# KiCad board panel.kicad_pcb (continued)
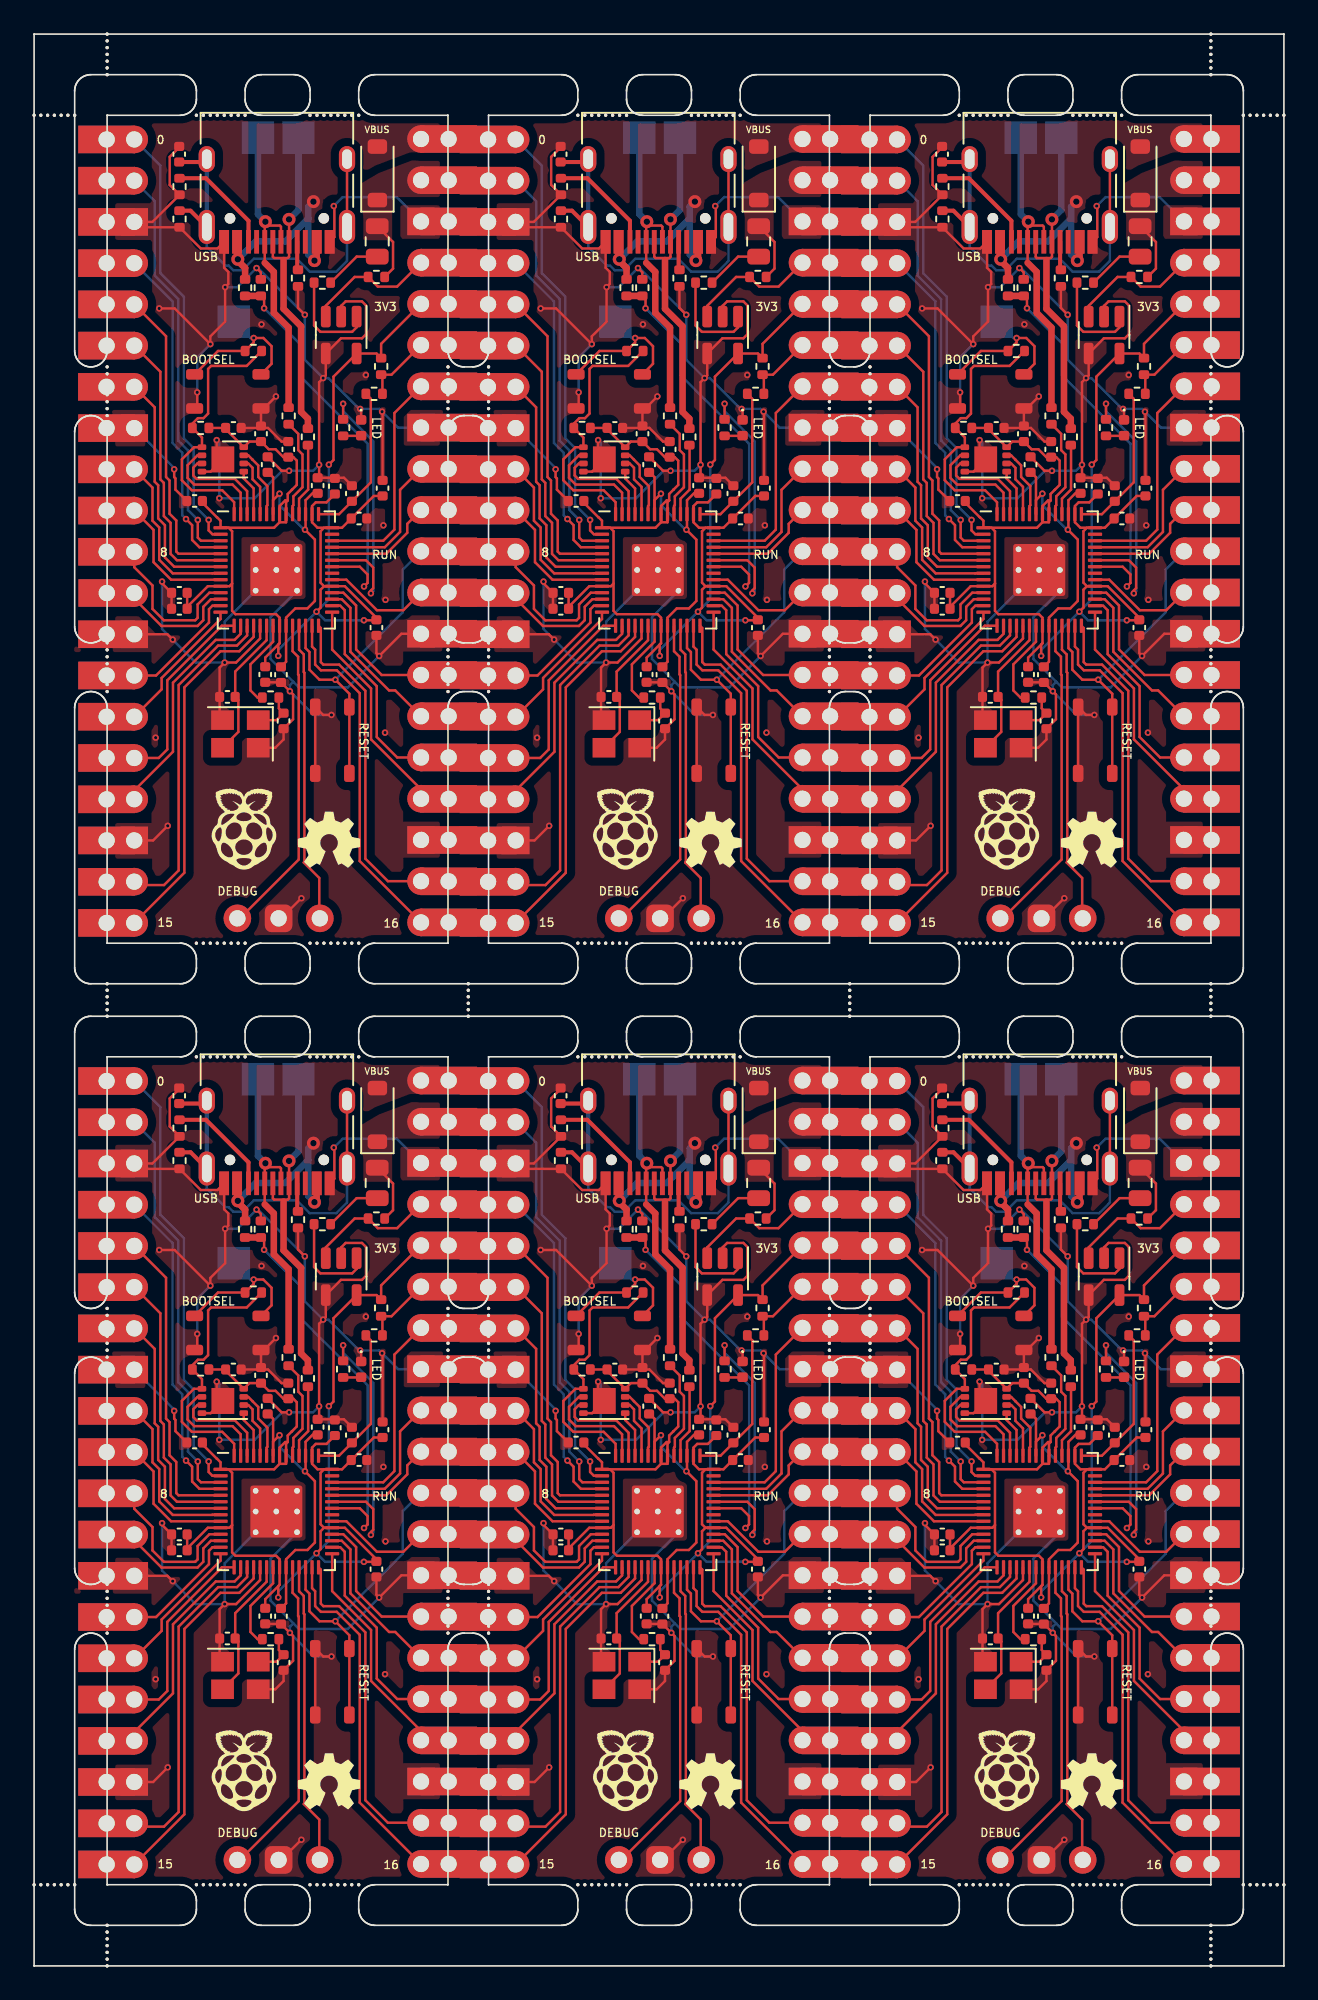
[diagram p0: board, top side]
## Routing (per net, layer and track width the routed paths; a pad name or vN(x,y) marks a point on that pad's centre or on a via; arc(x,y) is an arc through that point) (continued)
Board_1-/GPIO18: length 13.8
  Top w0.15: J2#5.17 47.34,72.48 44.26,75.56 44.26,78.69 41.86,81.09 U1#3.29
Board_1-/GPIO19: length 12.8
  Top w0.15: U1#3.30 42.36,83.79 42.64,83.51 42.64,80.8 44.61,78.83 44.61,75.7 45.87,74.44 J2#5.16
Board_1-/GPIO20: length 10
  Top w0.15: U1#3.31 42.46,84.19 42.99,83.66 42.99,80.95 45.37,78.57 45.75,78.57 J2#5.15
Board_1-/GPIO21: length 9.2
  Top w0.15: U1#3.32 42.55,84.59 43.34,83.8 43.34,81.09 44.91,79.52 J2#5.14
Board_1-/GPIO22: length 6.7
  Top w0.15: J2#5.12 46.25,83.51 44.62,83.51 42.74,85.39 U1#3.34
Board_1-/GPIO24: length 24.9
  Top w0.15: v1(43.83,84.97) 44.04,85.19 44.04,85.71 43.57,86.19 U1#3.36 ; v1(37.67,102.11) 37.67,102.67 R14#6.2
  Top w0.4: R13#3.1 R14#6.2
  Bottom w0.15: v1(37.67,102.11) 39.83,99.95 39.83,97.99 44.05,93.77 44.05,85.2 v1(43.83,84.97)
Board_1-/GPIO25: length 17.8
  Top w0.15: U1#3.37 43.94,86.59 44.39,86.14 44.39,84.87 44.25,84.73 v1(44.25,84.55) ; v1(42.54,96.23) R5#6.1
  Bottom w0.15: v1(42.54,96.23) 42.54,95.77 44.4,93.91 44.4,84.7 v1(44.25,84.55)
Board_1-/GPIO26_ADC0: length 6.9
  Top w0.15: J2#5.10 46.49,88.83 46.49,88.28 45.2,86.99 U1#3.38
Board_1-/GPIO27_ADC1: length 9
  Top w0.15: U1#3.39 45.11,87.39 46.05,88.33 46.05,90.93 J2#5.9
Board_1-/GPIO28_ADC2: length 13.6
  Top w0.15: U1#3.40 45.01,87.79 45.7,88.48 45.7,95.66 J2#5.7
Board_1-/QSPI_SCLK: length 3.7
  Top w0.15: U1#3.52 37.43,91.11 36.96,91.57 36.96,92.29 36.7,92.55 U2#6.6
Board_1-/QSPI_SD0: length 2.9
  Top w0.15: U1#3.53 37.03,91.01 36.42,91.62 U2#6.5
Board_1-/QSPI_SD1: length 6.9
  Top w0.15: U2#6.2 33.56,93.05 32.96,92.44 32.96,91.66 33.37,91.25 35.73,91.25 36.22,90.75 36.22,89.43
Board_1-/QSPI_SD2: length 6.3
  Top w0.15: U2#6.3 33.56,92.55 33.31,92.29 33.31,91.81 33.51,91.6 35.87,91.6 36.62,90.84 U1#3.54
Board_1-/QSPI_SD3: length 4.4
  Top w0.15: U2#6.7 36.7,93.05 36.96,92.79 36.96,92.79 37.31,92.43 37.31,91.72 37.88,91.15 37.88,89.98 37.82,89.93 37.82,89.43
Board_1-/QSPI_SS: length 16.9
  Top w0.15: R8.2 36.6,98.56 34.4,98.56 34.22,98.38 34.22,95.62 33.94,95.34 33.59,95.34 33.25,95 R9#4.1 ; 35.82,89.43 35.82,90.16 35.09,90.9 33.22,90.9 32.6,91.52 32.6,92.81 33.35,93.55 U2#6.1 33.84,94.15 R9#4.1 ; R9#4.1 33.12,94.74
Board_1-/RUN: length 20.9
  Top w0.15: SW1#4.2 SW1#4.2 42.92,78.37 v1(42.06,79.23) 41.08,79.23 40.47,79.84 40.47,80.93 40.22,81.17 40.22,82.55
  Bottom w0.15: v1(42.06,79.23) 46.22,83.38 46.22,86.02 J2#5.11
Board_1-/SWCLK: length 20
  Top w0.15: U1#3.24 39.43,80.98 39.76,80.65 39.76,79.56 39.81,79.52 39.81,68.16 35.99,64.34
Board_1-/SWD: length 18.8
  Top w0.15: 39.82,82.55 39.82,81.08 40.12,80.79 40.12,79.7 40.16,79.66 40.16,68.01 40.12,67.97 41.07,67.02 41.07,64.34
Board_1-/USB_BOOT: length 9.7
  Top w0.15: SW2#2.2 38.13,98.69 38.13,99.77 37.62,100.28 v1(37.03,100.28) 37.03,100.01 R8.1 34.83,99.48 SW2#2.2
  Bottom w0.15: v1(37.03,100.28) 36.82,100.28 TP3#5.1
Board_1-/USB_DM: length 20.6
  Top w0.15: J4#4.A7 38.21,105.28 38.28,105.2 39.13,105.2 39.21,105.28 J4#4.B7 39.21,107.58 v2(39.21,107.59)
  Top w0.4: R2.2 40.37,95.31 39.95,95.73 39.95,101 38.87,102.08 38.87,105.08
  Bottom w0.4: v2(39.21,107.59) 39.79,108.17 TP2#2.1
Board_1-/USB_DP: length 19.4
  Top w0.15: 37.78,107.2 37.71,107.13 J4#4.B6 37.71,104.91 ; 37.78,107.2 37.78,107.41 v2(37.75,107.44) ; 37.78,107.2 38.63,107.2 38.71,107.13 J4#4.A6
  Top w0.4: 37.71,104.91 38.27,104.35 38.27,101.83 39.18,100.92 R1#3.2
  Bottom w0.4: v2(37.75,107.44) 37.29,107.9 TP1.1
Board_1-GND: length 169.7
  Top w0.15: v1(40.18,101.71) 39.76,102.13 R11.2 ; v1(32.04,81.7) 31.71,82.03 J1#3.13 ; D1#3.1 43.65,95.85 v1(43.59,95.91) ; C1.2 38.75,92.1 v1(39.21,92.1) ; v1(31.21,102.1) 32.16,102.1 v1(34.36,99.9) 34.36,100.38 35.27,101.29 v1(35.27,103.41) 35.47,103.6 35.47,104.35 35.21,104.6 J4#4.A12 34.8,105.8 33.76,105.8 R10#3.1 30,107.1 J1#3.3 30.79,107.43 R12#5.2 31.85,109.7 31.85,111.44 32.44,112.02 C17#4.2 ; R14#6.1 37.47,104.32 v1(37.2,104.59) ; C10#4.2 44.97,95.71 v1(44.94,95.74) ; U2#6.4 34.38,92.05 U2#6.9 34.75,93.18 v1(34.75,93.99) ; v1(41.82,77.06) 41.31,77.06 SW1#4.1 SW1#4.1 ; U1#3.19 37.43,81.77 35.94,80.29 v1(35.24,80.29) 34.93,79.98 C15#6.1 34.93,76.92 Y1#3.2 ; Y1#3.4 38.36,75.04 38.87,75.55 C14#3.2 39.46,76.8 39.46,78.33 v1(39.26,78.52) 38.72,79.06 C2#2.2 38.7,79.07 C6.2 ; C16#6.1 37.91,94.74 38.75,93.9 C5#4.2 ; v1(41.96,108.41) 42,108.37 42,106.5 J4#4.A1 ; J1#3.18 30.83,69.33 v1(31.73,70.23) ; C7.2 44.59,80.86 v1(44.76,80.69) 46.13,82.06 J2#5.13 ; 31.97,83.68 C8.2 C13#6.2 31.38,85.17 v1(31.38,85.27) ; C9#5.2 32.21,90.94 32.21,91.63 32.13,91.71 v1(32.13,92.19) ; U3#5.2 42.42,102.26 42.7,102.53 43.7,102.53 43.95,102.29 43.95,100.51 43.7,100.26 42.41,100.26 U3#5.4 41.47,97.97 v1(41.31,97.81) 41.06,97.56 v1(41.06,92.47) 41.06,91.76 C3#6.2 42.59,91.67 C12#4.2 ; 38.53,64.34 39.96,65.77 v1(39.97,65.77) ; SW2#2.1 33.55,96.1 v1(33.55,96.93) ; C19#6.2 37.48,95.76 v1(38.4,96.68)
  Bottom w0.15: v1(41.06,92.47) 40.69,92.1 v1(39.21,92.1) 38.78,92.1 37.09,90.41 v1(34.91,90.41) 34.91,93.83 v1(34.75,93.99) ; U1#3.57 35.24,82.81 v1(35.24,80.29) 33.45,80.29 v1(32.04,81.7) 31.38,82.36 v1(31.38,85.27) ; v1(34.36,99.9) 33.55,99.09 v1(33.55,96.93) ; v1(32.13,92.19) 32.13,92.27 J1#3.8 ; v1(41.96,108.41) 42.52,108.96 45.84,108.96 J2#5.3 ; U1#3.57 38.07,83.08 38.07,80.5 39.47,79.1 ; v1(44.76,80.69) 42.82,78.75 39.82,78.75 39.47,79.1 ; 39.47,79.1 39.26,78.89 v1(39.26,78.52) 40.72,77.06 v1(41.82,77.06) ; J2#5.8 45.92,94.76 v1(44.94,95.74) 44.77,95.91 v1(43.59,95.91) 43.53,95.91 41.63,97.81 v1(41.31,97.81) 40.18,98.94 v1(40.18,101.71) 37.3,104.59 v1(37.2,104.59) 36.03,103.41 v1(35.27,103.41)
  vias: v1(30.99,75.66) v1(37.51,101.12) v1(43.94,98) v1(45.02,88.74) v1(45.12,75.97) v1(45.15,84.15)
Board_1-Net-(C14-Pad1): length 2.8
  Top w0.15: R7#4.1 38.58,77.46 C14#3.1 38.44,76.74 Y1#3.1
Board_1-Net-(D1-A): length 1.1
  Top w0.15: D1#3.2 43.63,94.25 R5#6.2
Board_1-Net-(F1-Pad2): length 3.5
  Top w0.15: FB1#6.2 43.37,105.29 F1#3.2
Board_1-Net-(J4-CC1): length 1.7
  Top w0.25: R11.1 39.71,104.53 J4#4.A5
Board_1-Net-(J4-CC2): length 6.6
  Top w0.25: R12#5.1 34.09,110.12 36.71,107.5 J4#4.B5
Board_1-Net-(J4-SHIELD): length 25.7
  Top w0.15: J4#4.S1 J4#4.S1
  Top w0.25: C17#4.1 33.96,111.12 J4#4.S1 ; J4#4.S1 33.14,108.12 R10#3.2
  Bottom w0.15: J4#4.S1 42.78,105.03 42.12,104.37 40.48,104.37 39.69,105.16 37.04,105.16 36.33,104.45 35.77,104.45 35.48,104.74 35.29,104.74 34.14,105.89 J4#4.S1
  Bottom w0.25: J4#4.S1 J4#4.S1
Board_1-Net-(U1-ADC_AVDD): length 9.6
  Top w0.15: U1#3.43 42.29,89.43 C12#4.1 44.25,91.38 44.25,96.53 R4.2
Board_1-Net-(U1-USB_DM): length 4.5
  Top w0.15: 39.82,89.43 39.82,90.38 40.38,90.94 40.38,93.66 R2.1
Board_1-Net-(U1-USB_DP): length 6.1
  Top w0.15: U1#3.47 39.43,89.93 39.47,89.98 39.47,90.52 40.03,91.08 40.03,93.11 39.78,93.37 39.78,94.38 R1#3.1
Board_1-Net-(U3-IN): length 6.2
  Top w0.15: FB1#6.1 40.75,101.05 41.14,100.66 43.09,100.66 43.37,100.94 U3#5.1
Board_1-VBUS: length 13.8
  Top w0.4: 36.5,104.59 36.01,105.08 J4#4.A9 ; 36.5,104.59 36.05,105.04 v2(36.05,105.13) ; 36.5,104.59 R13#3.2 ; v2(40.77,105.05) 40.91,105.18 J4#4.A4
  Bottom w0.4: v2(40.77,105.05) 40.39,105.43 40.39,107.64 ; 40.39,107.64 38.98,106.23 37.15,106.23 v2(36.05,105.13) ; 40.39,107.64 40.39,108.36 v2(40.71,108.68)
Board_1-VSYS: length 3.7
  Top w0.15: R15#2.1 45.62,104.56 45.62,106.19 F1#3.1
Board_1-XIN: length 8.8
  Top w0.15: Y1#3.3 36.09,76.02 36.09,77.97 C15#6.2 35.89,79.73 37.82,81.66 37.82,82.55
Board_1-XOUT: length 5.5
  Top w0.15: R7#4.2 37.27,78.13 36.83,78.57 36.83,80.18 38.22,81.57 38.22,82.55
Board_2-3V3_EN: length 8.1
  Top w0.15: J2#2.4 69.37,103.44 68.18,103.44 R15#4.2 66.75,104.04 64.97,102.26 U3#6.3
Board_2-+1V1: length 19.4
  Top w0.15: v1(63.69,88.47) 63.72,88.48 ; v1(63.69,88.47) 63.72,88.5 63.72,90.28 64.18,90.74 ; v1(63.69,88.47) 64.3,87.86 64.3,84.08 63.84,83.62 63.09,83.62 62.53,83.05 U1#6.23 62.53,80.34 C2#6.1 ; 61.52,91.91 61.72,91.7 61.72,89.43 61.72,90.3 v1(62.12,90.69)
  Bottom w0.15: 63.69,88.41 62.12,89.98 v1(62.12,90.69)
Board_2-+3V3: length 84.7
  Top w0.15: 62.12,81.48 U1#6.22 62.12,83.05 61.91,83.27 59.41,83.27 59.2,83.47 59.2,85.15 ; 62.12,81.48 62.04,81.39 v1(62.04,80.7) ; 62.12,81.48 61.24,80.59 C6#3.1 ; 59.2,85.15 59.04,84.99 U1#6.10 57.7,84.99 56.43,83.72 C8#5.1 C13.1 ; 59.2,85.15 59.2,88.38 58.99,88.59 U1#6.1 ; 62.62,90.27 62.62,90.67 62.88,90.93 ; 62.62,90.27 62.47,90.27 62.12,89.93 U1#6.49 62.12,88.93 ; 62.62,90.27 62.53,90.17 U1#6.48 62.53,88.93 62.12,88.93 ; C11.1 65.01,90.16 64.35,90.16 64.12,89.93 U1#6.44 64.12,88.93 64.46,88.59 64.86,88.59 ; 64.86,84.99 U1#6.33 66.15,84.99 68.09,83.05 C7#3.1 68.06,82.89 v1(67.32,82.89) ; 64.86,84.99 64.65,85.2 64.65,88.38 64.86,88.59 ; 64.86,84.99 64.65,84.78 64.65,83.67 v1(64.4,83.42) ; J2#2.5 68.38,99.92 R3#4.1 68.1,99.32 U3#6.5 65.44,97.9 65.44,92.77 v1(65.16,92.48) ; U1#6.1 58.49,89.02 58.27,89.24 58.26,89.24 57.34,90.16 57.34,90.22 ; U1#6.1 61.79,88.59 62.12,88.93 ; U1#6.1 58.48,88.6 ; C10#5.1 67.93,90.55 C4.1 65.97,88.59 U1#6.42 64.86,88.59 ; 62.88,90.93 62.9,90.94 ; 62.88,90.93 63.19,91.23 63.19,92.72 62.97,92.94 C5#5.1 62.36,92.94 61.88,93.42 61.46,93.42 C19#5.1 60.27,93.9 U2.8 58.8,94.67 C16#5.2 R9#2.2
  Bottom w0.15: v1(64.4,83.42) 62.04,81.06 v1(62.04,80.7) ; v1(64.4,83.42) 64.93,82.89 v1(67.32,82.89) 66.98,82.89 ; v1(64.4,83.42) 65.16,84.18 v1(65.16,92.48)
Board_2-/ADC_VREF: length 4.4
  Top w0.15: J2#2.6 69.02,98.02 R3#4.2 68.46,97.94 R4#3.1
Board_2-/GPIO0: length 26.8
  Top w0.15: v1(57.75,89.07) 57.75,88.42 57.99,88.19 U1#6.2
  Bottom w0.15: v1(57.75,89.07) 56.83,90 56.83,93.5 56.23,94.1 56.23,102.82 54.78,104.27 54.78,110.9 J1#5.1
Board_2-/GPIO1: length 25.1
  Top w0.15: U1#6.3 57.28,87.79 57.09,87.98 v1(57.09,89.07)
  Bottom w0.15: J1#5.2 54.43,108.71 54.43,104.12 55.88,102.67 55.88,93.96 56.48,93.36 56.48,89.68 v1(57.09,89.07)
Board_2-/GPIO2: length 20.5
  Top w0.15: v1(56.36,89.13) 56.74,88.75 56.74,87.84 57.19,87.39 U1#6.4
  Bottom w0.15: v1(56.36,89.13) 56.13,89.36 56.13,93.21 55.53,93.81 55.53,102.53 J1#5.4
Board_2-/GPIO3: length 19.1
  Top w0.15: U1#6.5 55.89,86.99 55.76,87.12 55.76,89.04 55.34,89.45 55.34,91.5 55.13,91.71 55.13,100.39 J1#5.5
Board_2-/GPIO4: length 17
  Top w0.15: U1#6.6 55.8,86.59 55.41,86.98 55.41,88.89 55,89.31 55,91.35 54.78,91.57 54.78,98.2 J1#5.6
Board_2-/GPIO5: length 15
  Top w0.15: J1#5.7 54.43,96.01 54.43,91.42 54.65,91.21 54.65,89.16 55.06,88.75 55.06,86.76 55.63,86.19 U1#6.7
Board_2-/GPIO6: length 10.3
  Top w0.15: J1#5.9 54.29,91.06 54.29,89.02 54.71,88.6 54.71,86.61 55.54,85.78 57.98,85.78 57.99,85.79 U1#6.8
Board_2-/GPIO7: length 8.2
  Top w0.15: U1#6.9 55.44,85.39 54.36,86.47 54.36,88.46 J1#5.10
Board_2-/GPIO8: length 9.7
  Top w0.15: J1#5.11 53.17,86.16 54.29,85.03 54.29,83.59 54.99,82.89 56.93,82.89 57.07,83.04 57.07,83.87 57.8,84.59 U1#6.11
Board_2-/GPIO9: length 7.5
  Top w0.15: U1#6.12 57.89,84.19 57.43,83.72 57.43,82.89 57.07,82.54 54.85,82.54 53.17,84.22 J1#5.12
Board_2-/GPIO10: length 7.6
  Top w0.15: U1#6.13 57.99,83.79 57.78,83.58 57.78,82.75 54.52,79.49 J1#5.14
Board_2-/GPIO11: length 8.6
  Top w0.15: U1#6.14 58.49,82.97 54.86,79.34 54.86,78.64 J1#5.15
Board_2-/GPIO12: length 12
  Top w0.15: J1#5.16 54.68,74.41 55.21,74.94 55.21,79.19 58.57,82.55 59.32,82.55
Board_2-/GPIO13: length 14.1
  Top w0.15: 59.72,82.55 59.72,82.05 59.35,81.68 58.19,81.68 55.56,79.05 55.56,74.79 53.17,72.41 J1#5.17
Board_2-/GPIO14: length 20.7
  Top w0.15: J1#5.19 53.38,66.58 55.01,66.58 55.91,67.48 55.91,78.9 58.34,81.33 59.5,81.33 60.12,81.96 U1#6.17
Board_2-/GPIO15: length 22
  Top w0.15: U1#6.18 60.53,81.86 59.64,80.98 58.48,80.98 56.26,78.76 56.26,67.34 J1#5.20
Board_2-/GPIO16: length 21.6
  Top w0.15: J2#2.20 67.06,68.06 67.06,78.4 65.65,79.81 64.67,79.81 64.31,80.16 64.31,81.08 64.12,81.27 U1#6.27
Board_2-/GPIO17: length 20.1
  Top w0.15: U1#6.28 64.66,82.41 64.66,80.31 64.82,80.16 65.79,80.16 67.41,78.54 67.41,68.2 68.79,66.82 J2#2.19
Board_2-/GPIO18: length 13.8
  Top w0.15: U1#6.29 65.36,81.09 67.76,78.69 67.76,75.56 70.84,72.48 J2#2.17
Board_2-/GPIO19: length 12.8
  Top w0.15: J2#2.16 69.37,74.44 68.11,75.7 68.11,78.83 66.14,80.8 66.14,83.51 65.86,83.79 U1#6.30
Board_2-/GPIO20: length 10
  Top w0.15: U1#6.31 65.96,84.19 66.49,83.66 66.49,80.95 68.87,78.57 69.25,78.57 J2#2.15
Board_2-/GPIO21: length 9.2
  Top w0.15: J2#2.14 68.41,79.52 66.84,81.09 66.84,83.8 66.05,84.59 U1#6.32
Board_2-/GPIO22: length 6.7
  Top w0.15: U1#6.34 66.24,85.39 68.12,83.51 69.75,83.51 J2#2.12
Board_2-/GPIO24: length 24.9
  Top w0.15: R14#3.2 61.17,102.67 v1(61.17,102.11) ; v1(67.33,84.97) 67.54,85.19 67.54,85.71 67.07,86.19 U1#6.36
  Top w0.4: R13#6.1 R14#3.2
  Bottom w0.15: v1(67.33,84.97) 67.55,85.2 67.55,93.77 63.33,97.99 63.33,99.95 v1(61.17,102.11)
Board_2-/GPIO25: length 17.8
  Top w0.15: v1(66.04,96.23) R5#2.1 ; U1#6.37 67.44,86.59 67.89,86.14 67.89,84.87 67.75,84.73 v1(67.75,84.55)
  Bottom w0.15: v1(66.04,96.23) 66.04,95.77 67.9,93.91 67.9,84.7 v1(67.75,84.55)
Board_2-/GPIO26_ADC0: length 6.9
  Top w0.15: U1#6.38 68.7,86.99 69.99,88.28 69.99,88.83 J2#2.10
Board_2-/GPIO27_ADC1: length 9
  Top w0.15: U1#6.39 68.61,87.39 69.55,88.33 69.55,90.93 J2#2.9
Board_2-/GPIO28_ADC2: length 13.6
  Top w0.15: J2#2.7 69.2,95.66 69.2,88.48 68.51,87.79 U1#6.40
Board_2-/QSPI_SCLK: length 3.7
  Top w0.15: U1#6.52 60.93,91.11 60.46,91.57 60.46,92.29 60.2,92.55 U2.6
Board_2-/QSPI_SD0: length 2.9
  Top w0.15: U2.5 59.92,91.62 60.53,91.01 U1#6.53
Board_2-/QSPI_SD1: length 6.9
  Top w0.15: 59.72,89.43 59.72,90.75 59.23,91.25 56.87,91.25 56.46,91.66 56.46,92.44 57.06,93.05 U2.2
Board_2-/QSPI_SD2: length 6.3
  Top w0.15: U1#6.54 60.12,90.84 59.37,91.6 57.01,91.6 56.81,91.81 56.81,92.29 57.06,92.55 U2.3
Board_2-/QSPI_SD3: length 4.4
  Top w0.15: 61.32,89.43 61.32,89.93 61.38,89.98 61.38,91.15 60.81,91.72 60.81,92.43 60.46,92.79 60.46,92.79 60.2,93.05 U2.7
Board_2-/QSPI_SS: length 16.9
  Top w0.15: R9#2.1 57.34,94.15 U2.1 56.85,93.55 56.1,92.81 56.1,91.52 56.72,90.9 58.59,90.9 59.32,90.16 59.32,89.43 ; R9#2.1 56.62,94.74 ; R9#2.1 56.75,95 57.09,95.34 57.44,95.34 57.72,95.62 57.72,98.38 57.9,98.56 60.1,98.56 R8#6.2
Board_2-/RUN: length 20.9
  Top w0.15: 63.72,82.55 63.72,81.17 63.97,80.93 63.97,79.84 64.58,79.23 v1(65.56,79.23) 66.42,78.37 SW1.2 SW1.2
  Bottom w0.15: v1(65.56,79.23) 69.72,83.38 69.72,86.02 J2#2.11
Board_2-/SWCLK: length 20
  Top w0.15: U1#6.24 62.93,80.98 63.26,80.65 63.26,79.56 63.31,79.52 63.31,68.16 59.49,64.34
Board_2-/SWD: length 18.8
  Top w0.15: 63.32,82.55 63.32,81.08 63.62,80.79 63.62,79.7 63.66,79.66 63.66,68.01 63.62,67.97 64.57,67.02 64.57,64.34
Board_2-/USB_BOOT: length 9.7
  Top w0.15: SW2#6.2 58.33,99.48 R8#6.1 60.53,100.01 v1(60.53,100.28) 61.12,100.28 61.63,99.77 61.63,98.69 SW2#6.2
  Bottom w0.15: v1(60.53,100.28) 60.32,100.28 TP3#2.1
Board_2-/USB_DM: length 20.6
  Top w0.15: J4.A7 61.71,105.28 61.78,105.2 62.63,105.2 62.71,105.28 J4.B7 62.71,107.58 v2(62.71,107.59)
  Top w0.4: 62.37,105.08 62.37,102.08 63.45,101 63.45,95.73 63.87,95.31 R2#3.2
  Bottom w0.4: TP2.1 63.29,108.17 v2(62.71,107.59)
Board_2-/USB_DP: length 19.4
  Top w0.15: 61.28,107.2 62.13,107.2 62.21,107.13 J4.A6 ; 61.28,107.2 61.28,107.41 v2(61.25,107.44) ; 61.28,107.2 61.21,107.13 J4.B6 61.21,104.91
  Top w0.4: 61.21,104.91 61.77,104.35 61.77,101.83 62.68,100.92 R1#5.2
  Bottom w0.4: TP1#5.1 60.79,107.9 v2(61.25,107.44)
Board_2-GND: length 169.7
  Top w0.15: J1#5.13 55.21,82.03 v1(55.54,81.7) ; v1(54.71,102.1) 55.66,102.1 v1(57.86,99.9) 57.86,100.38 58.77,101.29 v1(58.77,103.41) 58.97,103.6 58.97,104.35 58.71,104.6 J4.A12 58.3,105.8 57.26,105.8 R10#2.1 53.5,107.1 J1#5.3 54.29,107.43 R12#2.2 55.35,109.7 55.35,111.44 55.94,112.02 C17#2.2 ; C9.2 55.71,90.94 55.71,91.63 55.63,91.71 v1(55.63,92.19) ; C12#5.2 66.09,91.67 C3#3.2 64.56,91.76 v1(64.56,92.47) 64.56,97.56 v1(64.81,97.81) 64.97,97.97 U3#6.4 65.91,100.26 67.2,100.26 67.45,100.51 67.45,102.29 67.2,102.53 66.2,102.53 65.92,102.26 U3#6.2 ; v1(57.05,96.93) 57.05,96.1 SW2#6.1 ; 55.47,83.68 C8#5.2 C13.2 54.88,85.17 v1(54.88,85.27) ; v1(63.68,101.71) 63.26,102.13 R11#2.2 ; v1(60.7,104.59) 60.97,104.32 R14#3.1 ; C6#3.2 62.2,79.07 C2#6.2 62.22,79.06 v1(62.76,78.52) 62.96,78.33 62.96,76.8 C14.2 62.37,75.55 61.86,75.04 Y1.4 ; C5#5.2 62.25,93.9 61.41,94.74 C16#5.1 ; U1#6.19 60.93,81.77 59.44,80.29 v1(58.74,80.29) 58.43,79.98 C15.1 58.43,76.92 Y1.2 ; C19#5.2 60.98,95.76 v1(61.9,96.68) ; SW1.1 SW1.1 64.81,77.06 v1(65.32,77.06) ; v1(68.44,95.74) 68.47,95.71 C10#5.2 ; 62.03,64.34 63.46,65.77 v1(63.47,65.77) ; v1(67.09,95.91) 67.15,95.85 D1#5.1 ; J4.A1 65.5,106.5 65.5,108.37 v1(65.46,108.41) ; J2#2.13 69.63,82.06 v1(68.26,80.69) 68.09,80.86 C7#3.2 ; v1(58.25,93.99) 58.25,93.18 U2.9 57.88,92.05 U2.4 ; v1(62.71,92.1) 62.25,92.1 C1#2.2 ; v1(55.23,70.23) 54.33,69.33 J1#5.18
  Bottom w0.15: U1#6.57 58.74,82.81 v1(58.74,80.29) 56.95,80.29 v1(55.54,81.7) 54.88,82.36 v1(54.88,85.27) ; 62.97,79.1 62.76,78.89 v1(62.76,78.52) 64.22,77.06 v1(65.32,77.06) ; 62.97,79.1 61.57,80.5 61.57,83.08 U1#6.57 ; 62.97,79.1 63.32,78.75 66.32,78.75 v1(68.26,80.69) ; J2#2.8 69.42,94.76 v1(68.44,95.74) 68.27,95.91 v1(67.09,95.91) 67.03,95.91 65.13,97.81 v1(64.81,97.81) 63.68,98.94 v1(63.68,101.71) 60.8,104.59 v1(60.7,104.59) 59.53,103.41 v1(58.77,103.41) ; J2#2.3 69.34,108.96 66.02,108.96 v1(65.46,108.41) ; v1(55.63,92.19) 55.63,92.27 J1#5.8 ; v1(58.25,93.99) 58.41,93.83 v1(58.41,90.41) 60.59,90.41 62.28,92.1 v1(62.71,92.1) 64.19,92.1 v1(64.56,92.47) ; v1(57.86,99.9) 57.05,99.09 v1(57.05,96.93)
  vias: v1(54.49,75.66) v1(61.01,101.12) v1(67.44,98) v1(68.52,88.74) v1(68.62,75.97) v1(68.65,84.15)
Board_2-Net-(C14-Pad1): length 2.8
  Top w0.15: R7#3.1 62.08,77.46 C14.1 61.94,76.74 Y1.1
Board_2-Net-(D1-A): length 1.1
  Top w0.15: D1#5.2 67.13,94.25 R5#2.2
Board_2-Net-(F1-Pad2): length 3.5
  Top w0.15: F1#4.2 66.87,105.29 FB1#2.2
Board_2-Net-(J4-CC1): length 1.7
  Top w0.25: J4.A5 63.21,104.53 R11#2.1
Board_2-Net-(J4-CC2): length 6.6
  Top w0.25: J4.B5 60.21,107.5 57.59,110.12 R12#2.1
Board_2-Net-(J4-SHIELD): length 25.7
  Top w0.15: J4.S1 J4.S1
  Top w0.25: J4.S1 56.64,108.12 R10#2.2 ; C17#2.1 57.46,111.12 J4.S1
  Bottom w0.15: J4.S1 66.28,105.03 65.62,104.37 63.98,104.37 63.19,105.16 60.54,105.16 59.83,104.45 59.27,104.45 58.98,104.74 58.79,104.74 57.64,105.89 J4.S1
  Bottom w0.25: J4.S1 J4.S1
Board_2-Net-(U1-ADC_AVDD): length 9.6
  Top w0.15: R4#3.2 67.75,96.53 67.75,91.38 C12#5.1 65.79,89.43 U1#6.43
Board_2-Net-(U1-USB_DM): length 4.5
  Top w0.15: R2#3.1 63.88,93.66 63.88,90.94 63.32,90.38 63.32,89.43
Board_2-Net-(U1-USB_DP): length 6.1
  Top w0.15: R1#5.1 63.28,94.38 63.28,93.37 63.53,93.11 63.53,91.08 62.97,90.52 62.97,89.98 62.93,89.93 U1#6.47
Board_2-Net-(U3-IN): length 6.2
  Top w0.15: FB1#2.1 64.25,101.05 64.64,100.66 66.59,100.66 66.87,100.94 U3#6.1
Board_2-VBUS: length 13.8
  Top w0.4: v2(59.55,105.13) 59.55,105.04 60,104.59 ; 60,104.59 R13#6.2 ; 60,104.59 59.51,105.08 J4.A9 ; v2(64.27,105.05) 64.41,105.18 J4.A4
  Bottom w0.4: 63.89,107.64 63.89,108.36 v2(64.21,108.68) ; 63.89,107.64 63.89,105.43 v2(64.27,105.05) ; 63.89,107.64 62.48,106.23 60.65,106.23 v2(59.55,105.13)
Board_2-VSYS: length 3.7
  Top w0.15: F1#4.1 69.12,106.19 69.12,104.56 R15#4.1
Board_2-XIN: length 8.8
  Top w0.15: 61.32,82.55 61.32,81.66 59.39,79.73 C15.2 59.59,77.97 59.59,76.02 Y1.3
Board_2-XOUT: length 5.5
  Top w0.15: 61.72,82.55 61.72,81.57 60.33,80.18 60.33,78.57 60.77,78.13 R7#3.2
Board_3-3V3_EN: length 8.1
  Top w0.15: U3#4.3 17.97,44.26 19.75,46.04 R15.2 21.18,45.44 22.37,45.44 J2#3.4
Board_3-+1V1: length 19.4
  Top w0.15: v1(15.12,32.69) 14.72,32.3 U1#4.50 14.72,33.7 14.52,33.91 ; 17.18,32.74 16.72,32.28 U1#4.45 16.72,30.5 v1(16.69,30.47) ; v1(16.69,30.47) 17.3,29.86 17.3,26.08 16.84,25.62 16.09,25.62 15.53,25.05 U1#4.23 15.53,22.33 C2#4.1 ; v1(16.69,30.47) 16.72,30.48
  Bottom w0.15: 16.69,30.41 15.12,31.98 v1(15.12,32.69)
Board_3-+3V3: length 84.7
  Top w0.15: 15.12,30.93 15.53,30.93 U1#4.48 15.53,32.17 15.62,32.27 ; 15.12,30.93 14.79,30.59 U1#4.1 ; 15.12,30.93 U1#4.49 15.12,31.93 15.47,32.27 15.62,32.27 ; v1(17.4,25.42) 17.65,25.67 17.65,26.78 17.86,26.99 ; 17.86,30.59 17.65,30.38 17.65,27.2 17.86,26.99 ; 17.86,30.59 U1#4.42 18.97,30.59 C4#6.1 20.93,32.55 C10#2.1 ; 17.86,30.59 17.46,30.59 17.12,30.93 U1#4.44 17.12,31.93 17.35,32.16 18.01,32.16 C11#3.1 ; 15.88,32.93 16.19,33.23 16.19,34.72 15.97,34.94 C5.1 15.36,34.94 14.88,35.42 14.45,35.42 C19#3.1 13.27,35.9 U2#3.8 11.8,36.67 C16.2 R9#3.2 ; 15.88,32.93 15.62,32.67 15.62,32.27 ; 15.88,32.93 15.89,32.94 ; 15.12,23.48 14.24,22.59 C6#5.1 ; 15.12,23.48 15.04,23.39 v1(15.04,22.7) ; 15.12,23.48 U1#4.22 15.12,25.05 14.91,25.27 12.41,25.27 12.2,25.47 12.2,27.15 ; J2#3.5 21.38,41.92 R3#3.1 21.1,41.32 U3#4.5 18.44,39.9 18.44,34.77 v1(18.16,34.48) ; 12.2,27.15 12.04,26.99 U1#4.10 10.7,26.99 9.43,25.72 C8#6.1 C13#5.1 ; 12.2,27.15 12.2,30.38 11.99,30.59 U1#4.1 ; 11.48,30.6 U1#4.1 ; U1#4.1 11.49,31.02 11.27,31.24 11.26,31.24 10.34,32.16 10.34,32.22 ; 17.86,26.99 U1#4.33 19.15,26.99 21.09,25.05 C7#2.1 21.06,24.89 v1(20.32,24.89)
  Bottom w0.15: v1(18.16,34.48) 18.16,26.18 v1(17.4,25.42) ; v1(15.04,22.7) 15.04,23.06 v1(17.4,25.42) ; v1(17.4,25.42) 17.93,24.89 v1(20.32,24.89) 19.98,24.89
Board_3-/ADC_VREF: length 4.4
  Top w0.15: R4#5.1 21.46,39.94 R3#3.2 22.02,40.02 J2#3.6
Board_3-/GPIO0: length 26.8
  Top w0.15: v1(10.75,31.07) 10.75,30.42 10.99,30.19 U1#4.2
  Bottom w0.15: v1(10.75,31.07) 9.83,32 9.83,35.5 9.23,36.1 9.23,44.82 7.78,46.27 7.78,52.9 J1#2.1
Board_3-/GPIO1: length 25.1
  Top w0.15: U1#4.3 10.28,29.79 10.09,29.98 v1(10.09,31.07)
  Bottom w0.15: v1(10.09,31.07) 9.48,31.68 9.48,35.36 8.88,35.96 8.88,44.67 7.43,46.12 7.43,50.71 J1#2.2
Board_3-/GPIO2: length 20.5
  Top w0.15: U1#4.4 10.19,29.39 9.74,29.84 9.74,30.75 v1(9.36,31.13)
  Bottom w0.15: v1(9.36,31.13) 9.13,31.36 9.13,35.21 8.53,35.81 8.53,44.53 J1#2.4
Board_3-/GPIO3: length 19.1
  Top w0.15: U1#4.5 8.89,28.99 8.76,29.12 8.76,31.04 8.34,31.45 8.34,33.5 8.13,33.71 8.13,42.39 J1#2.5
Board_3-/GPIO4: length 17
  Top w0.15: J1#2.6 7.78,40.2 7.78,33.57 8,33.35 8,31.31 8.41,30.89 8.41,28.98 8.8,28.59 U1#4.6
Board_3-/GPIO5: length 15
  Top w0.15: J1#2.7 7.43,38.01 7.43,33.42 7.64,33.21 7.64,31.16 8.06,30.75 8.06,28.76 8.63,28.19 U1#4.7
Board_3-/GPIO6: length 10.3
  Top w0.15: J1#2.9 7.3,33.06 7.3,31.02 7.71,30.6 7.71,28.61 8.54,27.78 10.98,27.78 10.99,27.79 U1#4.8
Board_3-/GPIO7: length 8.2
  Top w0.15: U1#4.9 8.44,27.39 7.36,28.47 7.36,30.46 J1#2.10
Board_3-/GPIO8: length 9.7
  Top w0.15: U1#4.11 10.8,26.59 10.08,25.87 10.08,25.04 9.93,24.89 7.99,24.89 7.3,25.59 7.3,27.03 6.17,28.16 J1#2.11
Board_3-/GPIO9: length 7.5
  Top w0.15: U1#4.12 10.89,26.19 10.42,25.72 10.42,24.89 10.07,24.54 7.85,24.54 6.17,26.22 J1#2.12
Board_3-/GPIO10: length 7.6
  Top w0.15: J1#2.14 7.52,21.49 10.78,24.75 10.78,25.58 10.99,25.79 U1#4.13
Board_3-/GPIO11: length 8.6
  Top w0.15: U1#4.14 11.49,24.97 7.86,21.34 7.86,20.64 J1#2.15
Board_3-/GPIO12: length 12
  Top w0.15: U1#4.15 11.57,24.55 8.21,21.19 8.21,16.94 7.68,16.41 J1#2.16
Board_3-/GPIO13: length 14.1
  Top w0.15: J1#2.17 6.17,14.41 8.56,16.79 8.56,21.05 11.19,23.68 12.35,23.68 12.72,24.05 U1#4.16
Board_3-/GPIO14: length 20.7
  Top w0.15: J1#2.19 6.38,8.58 8.01,8.58 8.91,9.48 8.91,20.9 11.34,23.33 12.5,23.33 13.12,23.96 U1#4.17
Board_3-/GPIO15: length 22
  Top w0.15: U1#4.18 13.53,23.86 12.64,22.98 11.48,22.98 9.26,20.76 9.26,9.34 J1#2.20
Board_3-/GPIO16: length 21.6
  Top w0.15: J2#3.20 20.06,10.06 20.06,20.4 18.65,21.81 17.67,21.81 17.31,22.17 17.31,23.08 17.12,23.27 U1#4.27
Board_3-/GPIO17: length 20.1
  Top w0.15: U1#4.28 17.67,24.41 17.67,22.31 17.82,22.16 18.79,22.16 20.41,20.54 20.41,10.2 21.79,8.82 J2#3.19
Board_3-/GPIO18: length 13.8
  Top w0.15: U1#4.29 18.36,23.09 20.76,20.69 20.76,17.56 23.84,14.48 J2#3.17
Board_3-/GPIO19: length 12.8
  Top w0.15: U1#4.30 18.86,25.79 19.14,25.51 19.14,22.8 21.11,20.83 21.11,17.7 22.37,16.44 J2#3.16
Board_3-/GPIO20: length 10
  Top w0.15: J2#3.15 22.25,20.57 21.87,20.57 19.49,22.95 19.49,25.66 18.96,26.19 U1#4.31
Board_3-/GPIO21: length 9.2
  Top w0.15: J2#3.14 21.41,21.52 19.84,23.09 19.84,25.8 19.05,26.59 U1#4.32
Board_3-/GPIO22: length 6.7
  Top w0.15: U1#4.34 19.24,27.39 21.12,25.51 22.75,25.51 J2#3.12
Board_3-/GPIO24: length 24.9
  Top w0.15: v1(14.17,44.11) 14.17,44.67 R14#2.2 ; v1(20.33,26.97) 20.54,27.19 20.54,27.71 20.07,28.19 U1#4.36
  Top w0.4: R13#2.1 R14#2.2
  Bottom w0.15: v1(14.17,44.11) 16.33,41.95 16.33,39.99 20.55,35.77 20.55,27.2 v1(20.33,26.97)
Board_3-/GPIO25: length 17.8
  Top w0.15: v1(19.04,38.23) R5.1 ; v1(20.75,26.55) 20.75,26.73 20.89,26.87 20.89,28.14 20.44,28.59 U1#4.37
  Bottom w0.15: v1(19.04,38.23) 19.04,37.77 20.9,35.91 20.9,26.7 v1(20.75,26.55)
Board_3-/GPIO26_ADC0: length 6.9
  Top w0.15: U1#4.38 21.7,28.99 22.99,30.28 22.99,30.83 J2#3.10
Board_3-/GPIO27_ADC1: length 9
  Top w0.15: J2#3.9 22.55,32.93 22.55,30.33 21.61,29.39 U1#4.39
Board_3-/GPIO28_ADC2: length 13.6
  Top w0.15: J2#3.7 22.2,37.66 22.2,30.48 21.51,29.79 U1#4.40
Board_3-/QSPI_SCLK: length 3.7
  Top w0.15: U2#3.6 13.2,34.55 13.46,34.29 13.46,33.57 13.92,33.11 U1#4.52
